# KiCad board Controller.kicad_pcb (continued)
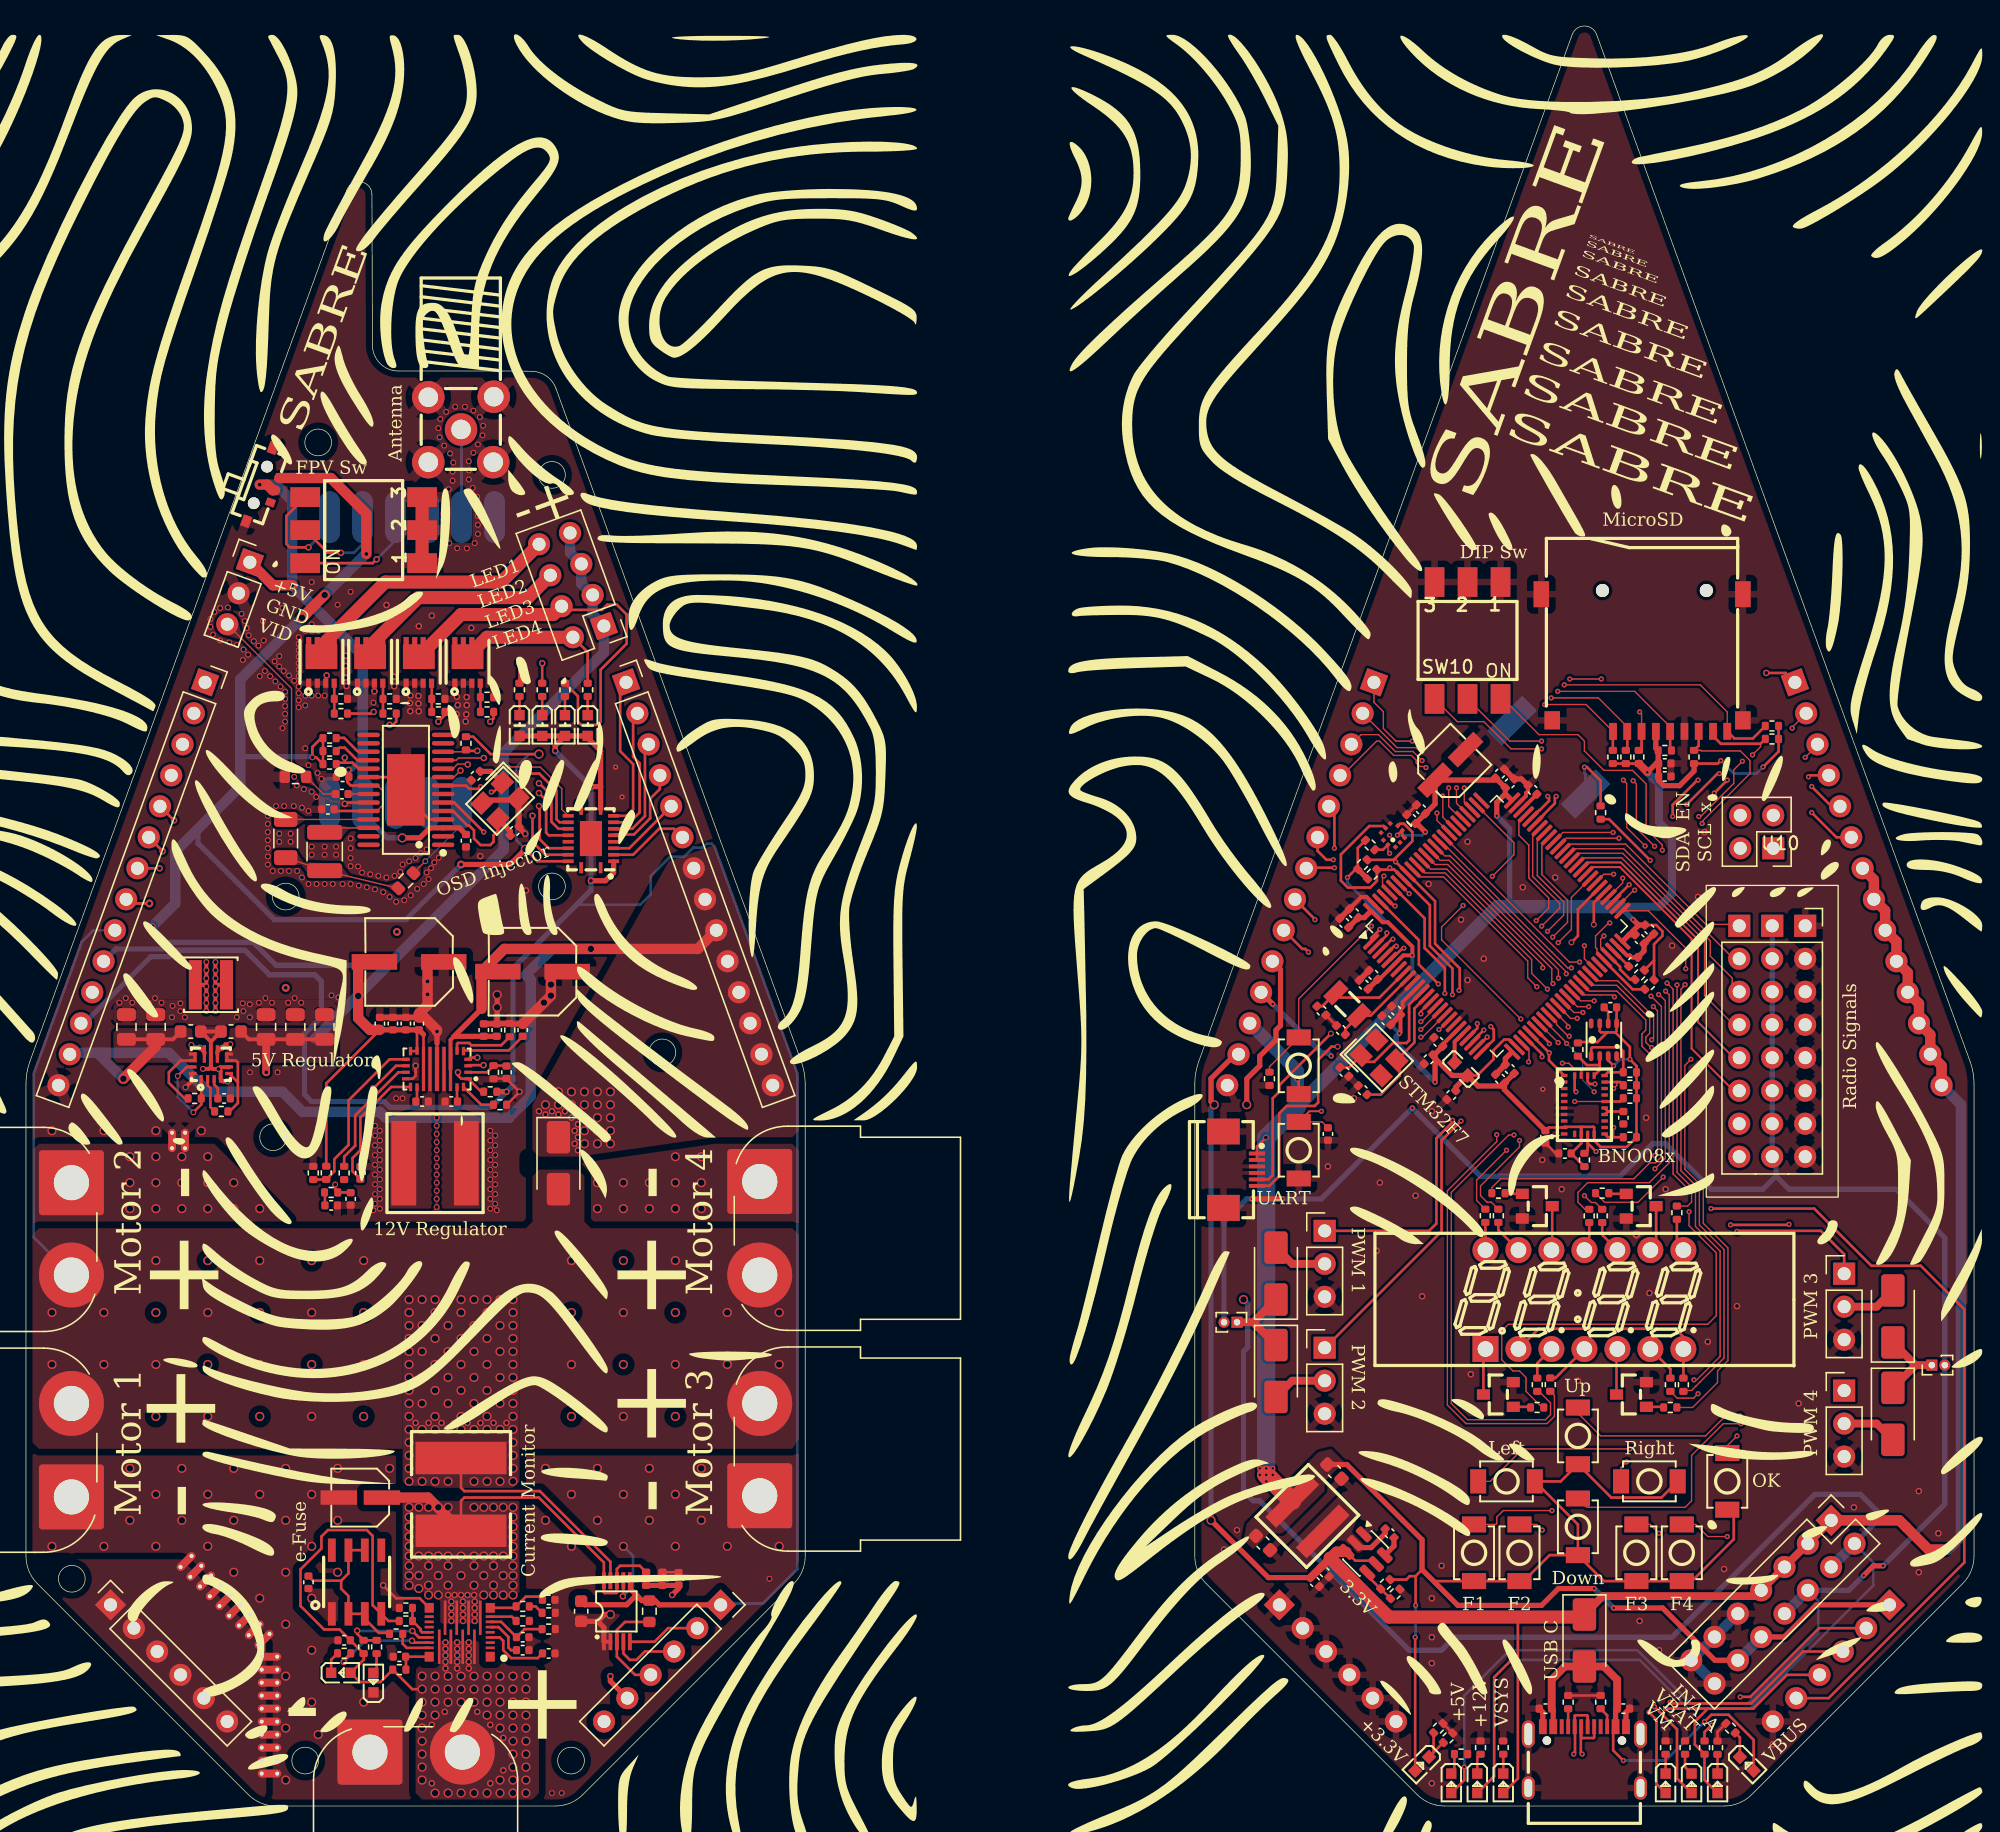
[diagram p0: board, top side]
## Routing (per net, layer and track width the routed paths; a pad name or vN(x,y) marks a point on that pad's centre or on a via; arc(x,y) is an arc through that point) (continued)
  In2.Cu w0.2: v1(35,78.5) 35.25,78.75 38.72,78.75 39.47,78 v3(39.5,78)
MAX7456_HSYNC_5V: length 3
  Top w0.2: R87.1 24.16,81.5 24.55,81.5 25.52,80.53 U5.18
MAX7456_LOS_3.3V_B: length 5.8
  Top w0.2: U16.4 46.45,73.75 J20.5
MAX7456_LOS_3.3V_T: length 41.6
  Top w0.2: v1(104.79,67.23) 104.79,67.06 U1.2 ; v1(137.5,78.5) 139.02,76.98 J18.5
  In2.Cu w0.2: v1(137.5,78.5) 119.84,78.5 118.27,76.93 115.93,76.93 106.72,67.72 105.28,67.72 v1(104.79,67.23)
MAX7456_LOS_5V: length 16.4
  Top w0.1: R86.1 33.74,81.18 U5.12
  Top w0.2: v3(34.75,81.25) 33.95,81.25 R86.1 ; U16.17 40.25,73.75 39.55,74.45 39.55,76.95 v3(39.5,77)
  In2.Cu w0.2: v3(34.75,81.25) 38.1,81.25 40.05,79.3 40.05,77.55 v3(39.5,77)
MAX7456_RESET_3.3V_B: length 6.4
  Top w0.2: J20.6 49.89,75.25 48.75,75.25 46.75,73.25 U16.3
MAX7456_RESET_3.3V_T: length 47.2
  Top w0.2: v1(108.75,63.3) 107.25,64.8 107.25,66.68 U1.98 ; J18.6 139.41,74.59 v1(137.5,76.5)
  In2.Cu w0.2: v1(108.75,63.3) 108.75,63.38 120.87,75.5 127.1,75.5 128.35,76.75 130.25,76.75 131.11,77.61 135.89,77.61 137,76.5 v1(137.5,76.5)
MAX7456_RESET_5V: length 27
  Top w0.2: U5.19 25.62,79.88 25.37,80.13 25.35,80.13 25.14,80.34 24.54,80.34 ; R88.1 24,80.34 24.54,80.34 ; v3(39,76.25) 39,74.25 40,73.25 U16.18 ; v3(24.54,80.72) 24.54,80.34
  In2.Cu w0.2: v3(39,76.25) 31.25,76.25 29.25,78.25 29.25,81.25 29,81.5 25.75,81.5 24.97,80.72 v3(24.54,80.72)
MAX7456_SCLK_3.3V_B: length 12.1
  Top w0.2: J20.1 45.75,86.07 45.75,81.23 46.75,80.23 46.75,76.75 46.25,76.25 U16.9
MAX7456_SCLK_3.3V_T: length 44.5
  Top w0.2: v3(134,87.25) 135.49,87.25 J18.1 ; U1.1 103.58,66.83 v1(104.25,67.5)
  In2.Cu w0.2: v1(104.25,67.5) 104.95,68.2 106.1,68.2 116.1,78.2 116.1,82.5 121.2,87.6 133.65,87.6 v3(134,87.25)
MAX7456_SCLK_5V: length 12.4
  Top w0.1: U5.10 32.88,79.88 33.23,80.23 33.98,80.23 v3(34.02,80.2) ; U16.12 41.25,76.75 41.25,78.34 39.6,80 38.97,80 38.95,80.02 v7(37.18,80.02)
  In2.Cu w0.1: v3(34.02,80.2) 37,80.2 v7(37.18,80.02)
MAX7456_SDIN_3.3V_B: length 10.3
  Top w0.2: U16.8 46.5,75.75 47.25,76.5 47.25,80.29 46.75,80.79 46.75,83.82 J20.2
MAX7456_SDIN_3.3V_T: length 40.5
  Top w0.1: J18.2 136,83.07 v1(136,83)
  Top w0.2: v1(106.1,66.05) 105.99,66.05 105.09,65.15 U1.5 ; v1(128.75,79) 128.7,79 126.8,77.1 v1(126.8,76.2)
  In2.Cu w0.2: v1(106.1,66.05) 106.12,66.07 109.71,66.07 118.62,74.99 119.73,74.99 120.75,76 126.6,76 v1(126.8,76.2) ; v1(136,83) 133,80 129.75,80 v1(128.75,79)
MAX7456_SDIN_5V: length 12.8
  Top w0.1: v3(33.46,79.73) 32.95,79.23 U5.9
  Top w0.2: v3(38.5,79.5) 39.53,79.5 40.85,78.18 40.85,75.98 41.08,75.75 U16.13
  In2.Cu w0.2: v3(33.46,79.73) 33.69,79.5 v3(38.5,79.5)
MAX7456_SDOUT_3.3V_B: length 8.5
  Top w0.2: U16.7 46.68,75.25 47.66,76.23 47.66,81.47 J20.3
MAX7456_SDOUT_3.3V_T: length 40.1
  Top w0.1: v1(137,80.75) 137.94,81.69 J18.3
  Top w0.2: v1(130.4,79.5) 130.25,79.5 v1(127.88,77.12) ; U1.4 105.35,66.21 v1(105.52,66.21)
  In2.Cu w0.2: v1(105.52,66.21) 105.52,66.27 105.87,66.62 107.2,66.62 112.88,72.3 115,72.3 119.5,76.8 127.55,76.8 v1(127.88,77.12) ; v1(137,80.75) 135.75,79.5 v1(130.4,79.5)
MAX7456_SDOUT_5V: length 13.5
  Top w0.1: U5.11 33.13,80.53 33.3,80.7 v3(35.25,80.7)
  Top w0.2: v3(39.5,78.75) 39.53,78.75 40.45,77.83 40.45,75.8 41,75.25 U16.14
  In2.Cu w0.2: v3(39.5,78.75) 39.5,79.28 38.2,80.58 35.37,80.58 v3(35.25,80.7)
MAX7456_VSYNC_5V: length 2.9
  Top w0.2: R85.1 23.91,82.25 24.5,82.25 25.5,81.25 26.31,81.25 U5.17
MGND_B: length 16
  Top w0.2: U11.7 46,16.19 v3(45.96,16.15) ; C28.1 50.22,18.01 R24.2 ; v3(27.5,17) 28.5,16 30.31,16 U19.14
  Top w0.3: U11.2 U11.1
  Top w0.4: 44.03,14.22 44.5,13.75 U11.1 ; 44.03,14.22 44.55,14.75 v5(45,14.75) ; 44.03,14.22 C1.1
  Bottom w0.2: v3(45.96,16.15) 46.75,16.94 46.75,19.25 v5(46,20)
  vias: v2(40.5,1) v2(41.25,1) v2(57.25,17.5) v5(2,20) v5(6,20) v5(8,50) v5(8,48) v5(8,46) v5(8,26) v5(8,22) v5(10,50) v5(10,48) v5(10,46) v5(10,38) v5(10,30) v5(10,24) v5(10,20) v5(12,50) v5(12,48) v5(12,46) v5(12,26) v5(12,22) v5(14,50) v5(14,48) v5(14,46) v5(14,42) v5(14,34) v5(14,24) v5(14,20) v5(16,48) v5(16,46) v5(16,26) v5(16,22) v5(16,18) v5(18,46) v5(18,38) v5(18,30) v5(18,24) v5(18,20) v5(18,16) v5(20,26) v5(20,22) v5(20,18) v5(20,14) v5(20,10) v5(20,6) v5(20,2) v5(22,42) v5(22,34) v5(22,24) v5(22,20) v5(22,16) v5(22,12) v5(22,8) v5(22.5,5.5) v5(24,26) v5(24,22) v5(24,18) v5(26,38) v5(26,30) v5(26,8) v5(28,26) v5(40,26) v5(40,22) v5(42,38) v5(42,30) v5(42,24) v5(42,20) v5(44,48) v5(44,46) v5(44,26) v5(44,22) v5(46,48) v5(46,46) v5(46,42) v5(46,34) v5(46,24) v5(48,48) v5(48,46) v5(48,26) v5(48,22) v5(50,50) v5(50,48) v5(50,46) v5(50,38) v5(50,30) v5(50,24) v5(50,20) v5(52,50) v5(52,48) v5(52,46) v5(52,26) v5(52,22) v5(54,20) v5(58,20)
MOTOR_PWM1: length 27
  Top w0.2: U1.22 111.75,59.89 v1(111.75,60.25) ; J5.1 108.04,44.29 108.6,44.85 108.6,51.42 109.85,52.66 v1(109.85,52.8)
  In2.Cu w0.2: v1(111.75,60.25) 111.3,59.8 111.3,54.26 110,52.96 110,52.96 v1(109.85,52.8)
MOTOR_PWM2: length 30.9
  Top w0.2: J6.1 100.04,35.29 109,44.25 109,51.25 v1(110.5,52.75) ; v1(112.25,59.75) 111.36,58.86 U1.23
  In2.Cu w0.2: v1(110.5,52.75) 111.7,53.95 111.7,59.2 v1(112.25,59.75)
MOTOR_PWM3: length 42.5
  Top w0.2: v1(131.75,44.25) 131.79,44.29 138.2,44.29 140,42.49 J7.1 ; v1(112.52,59.21) 111.74,58.43 U1.24
  In2.Cu w0.2: v1(131.75,44.25) 131.46,44.25 131.46,44.25 131.04,44.25 131.04,44.25 130.5,44.25 130,44.75 118.25,44.75 112.1,50.9 112.1,58.79 v1(112.52,59.21)
MOTOR_PWM4: length 53.1
  Top w0.2: v1(131.25,44.75) 135.71,44.75 v1(135.75,44.79) ; 112.08,58.08 U1.25 112.7,58.71 112.73,58.71 113.02,59.01 113.02,59.79 v1(112.79,60.02)
  In2.Cu w0.2: J8.1 138.46,31.99 137.75,32.7 137.75,42.79 v1(135.75,44.79) ; v1(112.79,60.02) 113.02,59.79 113.02,58.77 112.5,58.25 112.5,51.07 118.42,45.15 130.85,45.15 v1(131.25,44.75)
RADIO_PWM1: length 15.8
  Top w0.1: U1.64 118.86,74.07 123.18,74.07 129.36,67.89 131.38,67.89
RADIO_PWM2: length 16.4
  Top w0.1: U1.63 119.22,73.72 123.02,73.72 131.38,65.35
RADIO_PWM3: length 18.2
  Top w0.1: 131.38,62.81 131.38,63.75 129.69,65.44 129.69,66.61 122.95,73.36 119.57,73.36 U1.62
RADIO_PWM4: length 20
  Top w0.1: 131.38,60.27 129.25,62.4 129.25,66.63 122.87,73.01 119.92,73.01 U1.61
RADIO_PWM5: length 21.8
  Top w0.15: 131.38,57.73 128.75,60.36 128.75,66.71 122.8,72.66 120.28,72.66 U1.60
RADIO_PWM6: length 23.6
  Top w0.15: 131.38,55.19 128.25,58.32 128.25,66.78 122.73,72.3 120.63,72.3 U1.59
RESET: length 17.3
  Top w0.1: SW11.2 99.8,52.68 C63.1
  Top w0.15: U1.14 107.4,61.2 v1(107.4,61) ; SW11.2 98.82,53.5 v1(99.75,53.5)
  In2.Cu w0.15: v1(107.4,61) 107.25,61 106.75,60.5 105.5,60.5 105.25,60.25 105.25,59 v1(99.75,53.5)
SD_CD: length 36.3
  Top w0.1: v6(109.1,77.83) 109.1,76.15 U1.82 ; v1(118.45,86.33) 128.92,86.33 131,84.25 Card2.9
  Top w0.2: Card2.9 131.55,82.2 132.96,82.2 R58.1
  In2.Cu w0.1: v1(118.45,86.33) 116.61,86.33 116,85.72 113.44,85.72 109.85,82.12 109.85,79.35 109.1,78.6 v6(109.1,77.83)
SD_CLK: length 27.9
  Top w0.1: v1(109.55,78.4) 109.55,76.97 110.51,76.01 U1.80 ; v1(117.95,85.83) 123.87,85.83 126.6,83.1 Card2.5
  Top w0.2: R64.1 126.6,81.38 Card2.5
  In2.Cu w0.1: v1(117.95,85.83) 117.83,85.94 116.77,85.94 116.24,85.42 113.57,85.42 110.15,82 110.15,79.12 109.55,78.53 v1(109.55,78.4)
SD_CMD: length 28.8
  Top w0.1: v1(124.25,84.25) 124.4,84.1 Card2.3 ; U1.83 108.65,75.89 v1(108.65,76.46) ; v1(118.87,86.78) v1(121.3,86.78)
  Top w0.2: Card2.3 124.4,81.5 R65.1
  In2.Cu w0.1: v1(108.65,76.46) 108.65,78.57 109.55,79.47 109.55,82.25 113.32,86.02 115.88,86.02 116.49,86.64 117.5,86.64 117.65,86.78 v1(118.87,86.78) ; v1(124.25,84.25) 121.72,86.78 v1(121.3,86.78)
SD_DAT0: length 24.5
  Top w0.1: U1.65 118.61,74.52 v1(122.66,74.52) ; R63.1 128.96,81.29 129,81.25 132,81.25 132.75,80.5 132.75,79.5 129.07,75.82 v1(129.07,75.65)
  Top w0.2: Card2.7 128.8,81.65 R63.1
  In2.Cu w0.1: v1(129.07,75.65) 127.91,74.5 122.68,74.5 v1(122.66,74.52)
SD_DAT1: length 24.7
  Top w0.1: U1.66 118.35,74.97 v1(122.21,74.97) ; v1(132.16,80.45) 131.5,79.79 131.5,78.75 128.94,76.19 v1(128.81,76.19) ; v1(132.94,80.94) 133.56,81.56 133.56,81.8
  Top w0.2: Card2.8 129.9,82.4 130.5,81.8 133.56,81.8 R62.1
  In2.Cu w0.1: v1(132.94,80.94) 132.45,80.45 v1(132.16,80.45) ; v1(122.21,74.97) 127.67,74.97 128.81,76.11 v1(128.81,76.19)
SD_DAT2: length 20.3
  Top w0.1: 116.94,84.81 v1(116.93,84.82) 120.13,84.82 Card2.1 ; v1(110.75,78.4) 110.75,77.32 U1.78
  Top w0.2: R61.1 122.19,82.74 Card2.1
  In2.Cu w0.1: v1(110.75,78.4) 110.75,81.75 113.82,84.82 v1(116.93,84.82)
SD_DAT3: length 23.1
  Top w0.1: Card2.2 123.3,83.1 121.07,85.33 v1(117.44,85.33) ; v1(110.15,78.4) 110.15,77.21 U1.79
  Top w0.2: R66.1 123.3,81.4 Card2.2
  In2.Cu w0.1: v1(110.15,78.4) 110.15,78.7 110.45,79 110.45,81.87 113.69,85.12 116.37,85.12 116.58,85.33 v1(117.44,85.33)
TPS_ENABLE_B: length 35.8
  Top w0.2: v3(11.4,75.9) J15.5 ; R28.2 35.05,55 U7.1 33.52,56 33.27,56.26 v3(33.27,56.5)
  In2.Cu w0.2: v3(11.4,75.9) 12.25,75.05 12.25,72.82 28.92,56.15 32.92,56.15 v3(33.27,56.5)
TPS_ENABLE_T: length 16.1
  Top w0.2: J13.5 100.75,76.55 v1(100.75,73.75) ; v1(105.42,69.31) 105.33,69.31 U1.97
  In1.Cu w0.2: v1(105,74.75) 105,74.5 103.76,73.26 101.24,73.26 v1(100.75,73.75)
  In2.Cu w0.2: v1(105,74.75) 105,74.5 104.06,73.56 104.06,70.67 v1(105.42,69.31)
USB_DN: length 105.6
  Top w0.2: USB1.A7 120.25,6.94 120.2,6.99 119.3,6.99 119.25,6.94 USB1.B7 119.27,6.09 119.27,4.1 v1(119.18,4) ; v1(117.82,77.75) 117.73,77.65 117.73,77.21 116.88,76.37 116.88,76.33 U1.70
  In1.Cu w0.2: v1(119.18,4) 119.27,4.1 119.27,22.41 105.28,36.41 105.28,49.91 97.53,57.66 97.53,63.34 114.66,80.47 116.84,80.47 117.72,79.59 117.73,77.85 v1(117.82,77.75)
USB_DP: length 105.3
  Top w0.2: v1(117.18,77.75) 117.27,77.65 117.27,77.4 116.57,76.69 116.53,76.69 U1.71 ; USB1.B6 120.75,5.28 120.7,5.23 119.8,5.23 119.75,5.28 USB1.A6 119.73,6.09 119.73,4.1 v1(119.82,4)
  In1.Cu w0.2: v1(119.82,4) 119.73,4.1 119.73,22.59 105.72,36.59 105.72,50.09 104.32,51.5 arc(104.25,51.67) 104.32,51.84 104.68,52.21 arc(104.75,52.38) 104.68,52.55 104.6,52.63 arc(104.43,52.7) 104.26,52.63 103.89,52.27 arc(103.72,52.2) 103.55,52.27 97.97,57.84 97.97,63.16 114.84,80.03 116.66,80.03 117.28,79.41 117.27,77.85 v1(117.18,77.75)
VIDEO_IN: length 17.1
  Top w0.1: J10.3 20.45,86.05 20.45,80.38 R83.1 22.9,77.92 C41.1
VIDEO_OUT: length 7
  Top w0.1: R84.1 v2(30.75,72.75)
  Bottom w0.1: v2(30.75,72.75) 33.54,75.54 U17.7
VMOTORS: length 79.9
  Top w0.2: v1(98.75,65.75) 98.5,66 98.28,66 J13.9 ; LED12.2 125.55,1.7 125.55,6.65 v1(124.97,7.22)
  In2.Cu w0.2: v1(98.75,65.75) 98.85,65.65 98.85,52.83 99.34,52.34 101.34,52.34 101.45,52.23 101.45,31.17 124.68,7.93 124.68,7.51 v1(124.97,7.22)
VMOTORS_B: length 48
  Top w0.2: U11.9 45,18.82 39.57,24.25 33.75,24.25 33.5,24.5 R3.1
  Bottom w0.2: J15.9 5.18,67.43 4.3,66.55 0.6,56.39 0.6,43.79 CN4.1
  vias: v3(30,29.5) v3(31,29.5) v3(32,29.5) v3(33,29.5) v3(34,29.5) v3(35,29.5) v3(36,29.5) v3(37,29.5) v5(2,38) v5(2,34) v5(6,38) v5(6,34) v5(10,42) v5(10,34) v5(14,38) v5(14,30) v5(18,42) v5(18,34) v5(22,38) v5(22,30) v5(26,42) v5(26,34) v5(29.5,39) v5(29.5,38) v5(29.5,37) v5(29.5,36) v5(29.5,35) v5(29.5,34) v5(29.5,33) v5(29.5,32) v5(29.5,31) v5(29.5,30) v5(29.5,29) v5(29.5,28) v5(29.5,27) v5(29.5,26) v5(29.5,25) v5(30.5,39) v5(30.5,37) v5(30.5,35) v5(30.5,33) v5(30.5,31) v5(30.5,29) v5(30.5,25) v5(31.5,39) v5(31.5,38) v5(31.5,36) v5(31.5,34) v5(31.5,32) v5(31.5,30) v5(31.5,29) v5(31.5,25) v5(32.5,39) v5(32.5,37) v5(32.5,35) v5(32.5,33) v5(32.5,31) v5(32.5,29) v5(32.5,25) v5(33.5,39) v5(33.5,38) v5(33.5,36) v5(33.5,34) v5(33.5,32) v5(33.5,30) v5(33.5,29) v5(34.5,39) v5(34.5,37) v5(34.5,35) v5(34.5,33) v5(34.5,31) v5(34.5,29) v5(34.5,25) v5(35.5,39) v5(35.5,38) v5(35.5,36) v5(35.5,34) v5(35.5,32) v5(35.5,30) v5(35.5,29) v5(35.5,25) v5(36.5,39) v5(36.5,37) v5(36.5,35) v5(36.5,33) v5(36.5,31) v5(36.5,29) v5(36.5,25) v5(37.5,39) v5(37.5,38) v5(37.5,37) v5(37.5,36) v5(37.5,35) v5(37.5,34) v5(37.5,33) v5(37.5,32) v5(37.5,31) v5(37.5,30) v5(37.5,29) v5(37.5,28) v5(37.5,27) v5(37.5,26) v5(37.5,25) v5(42,42) v5(42,34) v5(46,38) v5(46,30) v5(50,42) v5(50,34) v5(54,38) v5(54,34) v5(58,38) v5(58,34)
VOLTAGE_ADC_B: length 14
  Top w0.2: 49.03,17.02 R24.1
  Top w0.4: R23.2 R24.1 50.22,16.99 C28.2 50.25,16.75 v3(49.75,16.25) ; J16.5 45,9.61 v3(45,10)
  In2.Cu w0.4: v3(49.75,16.25) 45,11.5 v3(45,10)
VOLTAGE_ADC_T: length 84.2
  Top w0.1: U1.28 115.73,58.2 115.73,57.49 115.7,57.46 v1(115.7,57.3)
  Top w0.2: v1(129.75,46) 137.7,46 142.1,41.6 145.9,41.6 149.25,38.25 149.25,18.75 138.81,8.31 J14.5
  In2.Cu w0.2: v1(115.7,57.3) 115.7,52.55 118.5,49.75 123.75,49.75 125,51 125.5,51 126.25,50.25 126.25,49.5 v1(129.75,46)
VSYS: length 176.4
  Top w0.2: U12.5 103.7,18.89 102.36,18.89 U12.3 ; 114.88,14.62 114.88,2.13 LED13.2
  Top w0.4: v5(91.5,54) 91.25,54.25 91.25,56.02 93.12,57.89 J13.13 ; v5(91.25,22) 95.66,17.59 C10.1
  Top w0.6: C10.1 C78.1 100.41,19.09 ; D1.1 121.42,16.17 133.17,16.17 J1.7 J1.5 J1.3 J1.1
  Top w0.8: v5(147.75,19.75) 146.5,19.75 144.25,22 J1.1 ; J18.7 142.29,71.34 J18.8 143.16,68.95 J18.9 144.03,66.57 J18.10 144.89,64.18 J18.11 145.76,61.79 J18.12 146.63,59.4 J18.13 147.5,57.02 J18.14 ; U12.3 100.9,19.58 100.41,19.09
  Top w1: D1.1 119.8,14.55 104.95,14.55 100.41,19.09
  Bottom w0.4: v5(91.5,54) 91.25,53.75 v5(91.25,22)
  Bottom w0.8: J18.14 149,54 149,20.75 148,19.75 v5(147.75,19.75)
VSYS_B: length 101.1
  Top w0.2: U9.12 11.91,57.41 11,56.5 11,55.7 12.21,54.49 R7.1
  Top w0.3: C4.2 C5.2 11.31,59.04 C3.2 ; 32.96,59.27 32.69,59 U7.7
  Top w0.4: 35.08,61.39 32.96,59.27 C16.2 C27.2
  Top w0.8: J20.9 51.72,66 v5(43.5,66) 36.83,66 35.08,64.25 35.08,61.39 ; v5(7.5,56) 9.99,58.49 C5.2
  Bottom w0.8: v5(7.5,56) 5.5,58 ; 5.5,58 3.48,58 J15.13 ; 5.5,58 11,58 14,55 19.75,55 21.3,53.45 27.25,53.45 27.7,53 37.2,53 38.85,54.65 38.85,63.65 38.5,64 40.5,66 v5(43.5,66)
  vias: v3(39.5,53.5) v3(40,53.25) v3(40.5,53.5) v3(41,53.25) v3(41.5,53.5) v3(42,53) v3(42.25,52) v3(42.25,51) v3(42.5,53.5) v3(42.5,52.5) v3(42.5,51.5) v3(42.5,50.5) v5(40,54) v5(41,55) v5(41,54) v5(42,55) v5(42,54) v5(43,55) v5(43,54) v5(43,53) v5(43,52) v5(43,51) v5(44,55) v5(44,54) v5(44,53) v5(44,52) v5(44,51) v5(45,55) v5(45,54) v5(45,53) v5(45,52) v5(45,51)
VTX_CH1: length 9
  Top w0.2: v3(21.75,96.92) 20.32,96.92 20.05,97.19 20.05,99.34 SW14.4
  Bottom w0.2: v3(21.75,96.92) 23.38,98.55 U17.6
VTX_CH2: length 7.5
  Top w0.2: SW14.5 23.25,96.5 v3(24.25,96.5)
  Bottom w0.2: U17.5 25.92,97.17 25.25,96.5 v3(24.25,96.5)
VTX_CH3: length 9.5
  Top w0.2: v3(27,96) 26.71,95.71 SW14.6
  Bottom w0.2: U17.4 28.46,97.46 v3(27,96)
VTX_SUPPLY: length 54.3
  Top w0.1: U5.24 27.02,76.62 27.5,77.1 27.5,78.16 27.08,78.58 U5.21
  Top w0.2: C37.2 23.86,76.62 U5.24 ; U5.21 25.01,78.58 24.75,78.84 24.75,79.7 v3(24.84,79.79)
  Top w0.4: v5(28.97,74.55) 30.33,74.55 31.1,75.32 U5.3 33.37,75.32 C36.2
  Top w0.8: v3(18,101.75) 18.58,101.75 19.01,101.32 SW13.C ; v3(20.5,94) 19.01,94 J10.1
  Bottom w0.4: v3(24.84,79.79) 25.04,79.79 25.5,80.25 25.92,80.25 ; U17.10 25.92,76.45 27.82,74.55 v5(28.97,74.55)
  Bottom w0.8: v3(18,101.75) 19.25,101.75 20.5,100.5 v3(20.5,94) 25.92,88.58 U17.10
XTAL1: length 9
  Top w0.2: U15.3 36.33,75.08 36,74.75 36,74.25 35.75,74 35,74 34.5,74.5 34.5,75.13 34.13,75.5 34,75.5 32.88,76.62 U5.5
  Top w0.4: U15.3 37.29,75.07 C40.2
XTAL2: length 10.6
  Top w0.2: v1(35.83,78.08) 35.98,78.08 U15.1 ; v1(35.25,75) 32.98,77.27 U5.6
  Top w0.4: U15.1 35.8,79.67 C39.1
  In1.Cu w0.2: v1(35.83,78.08) 35.83,75.58 v1(35.25,75)
Net-(BUZ1-+): length 5.7
  Top w0.2: R78.2 121.25,78.95 120.2,80 v1(120,80)
  Bottom w0.2: v1(120,80) 120,79.5 120.08,79.42 BUZ1.1
Net-(C24-Pad2): length 1
  Top w0.2: C24.2 23.02,47.22 R12.1
Net-(C66-Pad1): length 9
  Top w0.1: R84.2 C66.1 C79.1
Net-(C76-Pad1): length 13.3
  Top w0.2: 24.27,17.35 24.83,17.91 U20.7 U20.6 ; 24.27,17.35 24.27,16.73 24.83,16.17 U20.2 U20.3 26.09,14.41 27.17,13.33 27.91,13.33 R56.1 ; 24.27,17.35 22.11,17.35 C76.1
Net-(CN1-+): length 33.3
  Top w0.2: v5(30.5,9) 29.74,9 R32.2 27.29,9.55 25.71,9.55 LED8.2 26,11.26 R55.1 C75.2 24.14,13.6 22.95,13.6 21.14,15.41 21.14,18.22 22.75,19.83 22.75,20.75 23.25,21.25 26.25,21.25 26.69,20.81 26.69,15.47 U20.4 27.91,14.25 R33.2
  vias: v3(31.25,6.25) v3(31.25,1.75) v3(32.25,7.25) v3(32.3,12.6) v3(32.3,12.1) v3(32.3,11.6) v3(32.3,11.1) v3(32.3,10.6) v3(33.2,12.6) v3(33.2,12.1) v3(33.2,11.6) v3(33.2,11.1) v3(33.2,10.6) v3(34.1,12.6) v3(34.1,12.1) v3(34.1,11.6) v3(34.1,11.1) v3(34.1,10.6) v3(34.75,7.25) v3(35.75,6.25) v3(35.75,1.75) v3(36.75,5.25) v3(36.75,2.75) v5(30.5,10) v5(30.5,8) v5(30.5,7) v5(30.5,6) v5(30.5,5) v5(30.5,4) v5(30.5,3) v5(30.5,2) v5(31.5,10) v5(31.5,9) v5(31.5,8) v5(31.5,7) v5(31.5,1) v5(32.5,10) v5(32.5,9) v5(32.5,8) v5(32.5,1) v5(33.5,10) v5(33.5,9) v5(33.5,8) v5(33.5,1) v5(34.5,10) v5(34.5,9) v5(34.5,8) v5(34.5,1) v5(35.5,10) v5(35.5,9) v5(35.5,8) v5(35.5,7) v5(35.5,1) v5(36.5,10) v5(36.5,9) v5(36.5,8) v5(36.5,7) v5(36.5,6) v5(36.5,2) v5(36.5,1) v5(37.5,10) v5(37.5,9) v5(37.5,8) v5(37.5,7) v5(37.5,6) v5(37.5,5) v5(37.5,4) v5(37.5,3) v5(37.5,2) v5(37.5,1) v5(38.5,10) v5(38.5,9) v5(38.5,8) v5(38.5,7) v5(38.5,6) v5(38.5,5) v5(38.5,4) v5(38.5,3) v5(38.5,2) v5(38.5,1)
Net-(D3-A): length 4.3
  Top w0.6: J5.2 97.5,41.75 D3.2
Net-(D3-K): length 6.2
  Top w0.6: J2.1 94.5,37.25 ; 94.5,37.25 D3.1 ; 94.5,37.25 D4.1
Net-(D4-A): length 4.3
  Top w0.6: J6.2 97.5,32.75 D4.2
Net-(D5-A): length 4.3
  Top w0.6: D5.2 142.5,38.45 J7.2
Net-(D5-K): length 6.2
  Top w0.6: 145.5,33.95 D6.1 ; 145.5,33.95 J9.1 ; 145.5,33.95 D5.1
Net-(D6-A): length 4.3
  Top w0.6: D6.2 142.5,29.45 J8.2
Net-(LED1-A): length 2.1
  Top w0.2: LED1.14 112.37,42.82 R42.1
Net-(LED1-B): length 2.6
  Top w0.2: LED1.8 127.12,43.31 R44.1
Net-(LED1-C): length 2.9
  Top w0.2: R38.1 126.62,33.65 LED1.6
Net-(LED1-D2D1): length 2.3
  Top w0.2: LED1.11 120.37,43.18 R41.1
Net-(LED1-D-Pad2): length 16.8
  Top w0.2: LED1.2 116.48,36.75 127,36.75 127.62,36.13 LED1.7 R39.1
Net-(LED1-DIG1): length 3.6
  Top w0.2: LED1.1 112.22,35.03 Q7.3
Net-(LED1-DIG2): length 3.4
  Top w0.2: LED1.12 117.52,42.87 Q10.3
Net-(LED1-DIG3): length 3.5
  Top w0.2: Q8.3 122.47,35.12 LED1.5
Net-(LED1-DIG4): length 3.6
  Top w0.2: Q9.3 125.52,43.25 LED1.9
Net-(LED1-DP): length 2.7
  Top w0.2: R40.1 116.37,34.1 LED1.3
Net-(LED1-E): length 3.6
  Top w0.2: LED1.4 117.77,32.96 R37.1
Net-(LED1-F): length 2.8
  Top w0.2: R45.1 113.37,44.36 LED1.13
Net-(LED1-G): length 2.6
  Top w0.2: LED1.10 121.37,43.98 R43.1
Net-(LED2-K): length 2
  Top w0.2: R72.1 131.97,5.28 LED2.1
Net-(LED3-K): length 1.5
  Top w0.2: LED3.1 R4.1
Net-(LED4-K): length 1.4
  Top w0.2: LED4.2 R67.1
Net-(LED5-K): length 1.4
  Top w0.2: R60.1 LED5.2
Net-(LED6-K): length 1.4
  Top w0.2: LED6.2 R68.1
Net-(LED7-K): length 1.4
  Top w0.2: R69.1 LED7.2
Net-(LED8-K): length 1.7
  Top w0.2: R53.1 23.5,11.27 LED8.1
Net-(LED9-A): length 1.6
  Top w0.2: LED9.2 27,10.5 R54.1
Net-(LED11-K): length 1.7
  Top w0.2: R5.1 127.75,3 LED11.1
Net-(LED12-K): length 1.5
  Top w0.2: LED12.1 R73.1
Net-(LED13-K): length 1.5
  Top w0.2: LED13.1 R74.1
Net-(LED14-K): length 1.6
  Top w0.2: LED14.1 111.75,3.74 R75.1
Net-(LED15-K): length 1.6
  Top w0.2: R76.1 109.99,2.74 LED15.1
Net-(LED16-K): length 3.6
  Top w0.2: R82.1 LED16.1 108.39,4.14 R77.1
Net-(Q1-G): length 2.3
  Top w0.2: Q1.4 23.74,86.45 R17.1
Net-(Q2-G): length 2.3
  Top w0.2: R18.1 27.49,86.45 Q2.4
Net-(Q3-G): length 2.2
  Top w0.2: Q3.4 34.99,86.45 R19.1
Net-(Q5-G): length 2.2
  Top w0.2: R21.1 31.24,86.45 Q5.4
Net-(Q7-G): length 1.4
  Top w0.2: R46.2 115.8,30.74 Q7.1
Net-(Q8-G): length 1.4
  Top w0.2: Q8.1 126.05,30.74 R36.2
Net-(Q9-G): length 1.4
  Top w0.2: R47.2 121.93,47.14 Q9.1
Net-(Q10-G): length 1.4
  Top w0.2: Q10.1 113.94,47.14 R48.2
Net-(R15-Pad2): length 1.2
  Top w0.2: R52.1 39.24,15.38 R15.2
Net-(U1-VCAP_1): length 1.7
  Top w0.2: C57.2 U1.48
Net-(U1-VCAP_2): length 1.7
  Top w0.3: C58.2 U1.73
Net-(U1-VDDA): length 2.5
  Top w0.3: L2.1 110.01,58.85 U1.21
Net-(U2-CAP): length 1.9
  Top w0.2: 121.83,53.48 121.79,53.48 U2.9 ; 121.83,53.48 C31.2 ; 121.83,53.48 U2.10
Net-(U5-SAG): length 6.4
  Top w0.1: U5.25 20,75.97 C79.2
Net-(U5-VIN): length 1.6
  Top w0.1: C41.2 26.38,77.92
Net-(U5-VOUT): length 3.5
  Top w0.1: U5.26 23.34,75.32 C66.2
Net-(U7-BOOT1): length 1.2
  Top w0.2: C14.1 33.19,54.29 U7.20 33.23,55.31
Net-(U7-BOOT2): length 1.3
  Top w0.2: U7.19 30.11,54.34 C15.1 ; 30.02,54 30.11,54.09
Net-(U7-CDC): length 9.5
  Top w0.2: U7.16 28.68,56.5 25.35,53.17 25.35,50.85 24.5,50 R13.2
Net-(U7-COMP): length 13.6
  Top w0.2: U7.15 28.5,57 26.78,55.28 v2(26.72,55.28) ; C23.2 24.98,47.25 R12.2 23.81,47.45 v2(23.81,47.86)
  In2.Cu w0.2: v2(23.81,47.86) 25.5,49.56 25.5,54.06 v2(26.72,55.28)
Net-(U7-DITH/SYNC): length 5
  Top w0.2: U7.5 33.74,58.18 37.16,58.18 C18.2
Net-(U7-EXTVCC): length 2.9
  Top w0.2: R20.1 35.06,54 U7.21
Net-(U7-FB/~{INT}): length 13.5
  Top w0.2: 23.25,48.25 23.24,48.24 22.25,48.24 ; U7.14 28,57.5 24.84,54.34 24.84,50.91 23.74,49.81 23.74,48.87 R11.1
Net-(U7-FSW): length 5
  Top w0.2: R14.1 36.59,58.58 34.29,58.58 34.12,58.76 33.26,58.76 33.19,58.68 U7.6
Net-(U7-MODE): length 3.2
  Top w0.2: C44.1 36.97,57.01 R35.2 35.49,56.5 U7.2
Net-(U7-VCC): length 10.1
  Top w0.2: U7.18 28.12,55.37 25.75,53 25.75,50.5 25.14,49.89 25.14,48.88 C17.2
Net-(U9-EN): length 7.6
  Top w0.2: U9.14 12.38,56.91 v2(11.69,56.21) ; U9.1 13.5,55.98 R7.2 13.5,54.02 v2(12.89,53.41)
  Bottom w0.2: v2(12.89,53.41) 11.69,54.61 v2(11.69,56.21)
Net-(U9-L1): length 6
  Top w0.3: U9.11 13.74,58.04 v2(13.38,58.4) 12.95,58.4 v2(12.74,58.61) ; v2(13.89,63.11) 13.76,63.24 L1.2 ; v2(13.89,63.11) v2(13.89,62.46) v2(13.89,61.84) v2(13.89,61.21) ; v2(13.89,63.11) v2(13.89,63.74) v2(13.89,64.36) v2(13.89,64.99)
Net-(U9-L2): length 6.1
  Top w0.3: v2(15.74,58.66) 15.37,58.66 v2(15.09,58.38) ; L1.1 14.71,63.24 v2(14.59,63.11) ; v2(14.59,63.11) v2(14.59,63.74) v2(14.59,64.36) v2(14.59,64.99) ; v2(14.59,63.11) v2(14.59,62.46) v2(14.59,61.84) v2(14.59,61.21) ; U9.9 14.74,58.08 15.04,58.38 v2(15.09,58.38) ; v2(15.09,58.38) 15.09,58.43
Net-(U9-PG): length 2.7
  Top w0.2: R8.1 14.2,53.82 14.2,55.28 13.99,55.49 U9.2
Net-(U9-VAUX): length 1.6
  Top w0.2: C2.1 14.78,55.26 14.49,55.55 U9.3
Net-(U12-CB): length 1.6
  Top w0.4: C11.1 105.34,20.02 U12.6
Net-(U12-FB): length 2.7
  Top w0.2: U12.4 103.28,17.75 R9.1 104.32,16.72 R10.1
Net-(U12-SW): length 3.3
  Top w0.4: C11.2 104.66,20.98 103.58,19.9 102.7,19.9 U12.2
Net-(U14-SCK): length 6.4
  Top w0.2: U2.15 121.81,56.5 R26.1 122.99,58.12 122.68,58.43 120.62,58.43 120.52,58.33 U14.4
Net-(U14-SDI): length 4.3
  Top w0.2: U2.16 121.18,56.68 U14.3 121.18,57.16 121.08,57.05 120.19,57.05 R25.1
Net-(U17-ANT): length 6.8
  Bottom w0.2: U6.5 33.54,105.96 U17.2
Net-(U19-DVDT): length 5.2
  Top w0.2: C71.1 39.41,11.39 37.36,11.39 36.75,12 36.75,12.72 36.49,12.98 U19.4
Net-(U19-EN/UVLO): length 2.7
  Top w0.2: U19.18 30.5,13.38 30.4,13.48 30.4,13.61 R33.1 R49.2
Net-(U19-ILIM): length 2.1
  Top w0.2: R50.2 37.41,14.58 U19.8
Net-(U19-IMON): length 4.7
  Top w0.2: R51.1 38.39,13.62 C72.2 36.59,14.18 U19.7
Net-(U19-IREF): length 4.5
  Top w0.2: U19.9 37.63,15.26 R15.1 38.49,16.12 39.52,16.12 C73.2
Net-(U19-ITIMER): length 3.2
  Top w0.2: U19.6 36.39,13.78 37.15,13.01 37.15,12.2 37.35,12 C70.1
Net-(U19-PG): length 7.7
  Top w0.2: U19.19 30.25,12.98 v3(29.75,13.48) ; R54.2 R55.2 25.5,13.26 v3(25.5,13.5)
  Bottom w0.2: v3(25.5,13.5) 25.52,13.48 v3(29.75,13.48)
Net-(U19-SWEN): length 2.9
  Top w0.2: U19.21 29.32,12.18 29.01,12.49 R56.2
Net-(U19-VDD): length 2.8
  Top w0.2: U19.22 C69.2 29.26,11.47 R32.1
Net-(U19-~{FLT}): length 8.2
  Top w0.2: v3(29.72,12.73) 29.87,12.58 U19.20 ; v3(24.47,11.09) 24.47,11.22 R53.2
  Bottom w0.2: v3(24.47,11.09) 26.11,12.73 v3(29.72,12.73)
Net-(USB1-CC1): length 1.4
  Top w0.2: R2.1 USB1.A5
Net-(USB1-CC2): length 1.6
  Top w0.2: R1.1 121.75,6.99 USB1.B5

## Copper pours and planes (outline as drawn; the poured copper is in the pictures)
+3.3V on Top: 94.5,19.75 95.75,21 96.75,21 100,24.25 100,25 101.5,26.5 100.5,27.5 99.5,27.25 94,21.75 93.75,20.5
+5V_B on Top: 23.99,57.5 23.72,57.24 15.29,57.24 15.29,58.09 15.7,59.82 16.16,60.19 17.29,60.19 17.39,59.99 23.56,59.99 23.99,59.56
GND on Top, Bottom, In1.Cu, In2.Cu: 108,-0.5 132,-0.5 150.5,18 150.5,56.5 120,139.5 89.5,56.5 89.5,18
GND_B on Top: 23.61,60.11 23.99,60.49 23.99,61.61 23.49,62.11 7.24,62.11 6.74,61.61 6.74,60.49 7.11,60.11
GND_B on Top, Bottom, In1.Cu, In2.Cu: 42.5,-0.5 60.5,18 60.5,56.5 30,140 -0.5,56.5 -0.5,18 17.5,-0.5
GND_B on Top, Bottom, In1.Cu, In2.Cu: 18.5,1 18,0.5 0.5,18 0.5,18.5 1,19 12,19 18.5,12.5
GND_B on Bottom: 31.75,97.25 30.25,97.25 30.25,101.25 29.75,103.25 29.75,104.75 32.25,104.75 32.25,103.25 31.75,101.25
GND_B on Bottom: 36.85,97.25 35.35,97.25 35.35,101.25 34.85,103.25 34.85,104.75 37.35,104.75 37.35,103.25 36.85,101.25
VBAT_B on Top, Bottom, In1.Cu, In2.Cu: 35.25,13.75 31.5,13.75 31.5,15.75 29,15.75 29,23.5 38,23.5 38,15.75 35.25,15.75
BOOT1 on Top: 35,46 35,53 32.75,53.75 32.75,54.75 32.5,55 32.5,58.5 31.75,58.5 31.75,46
